# Altium PCB Nuio_LeftKeyboard_Rev_E.PcbDoc (part 1 of 3) (continued)
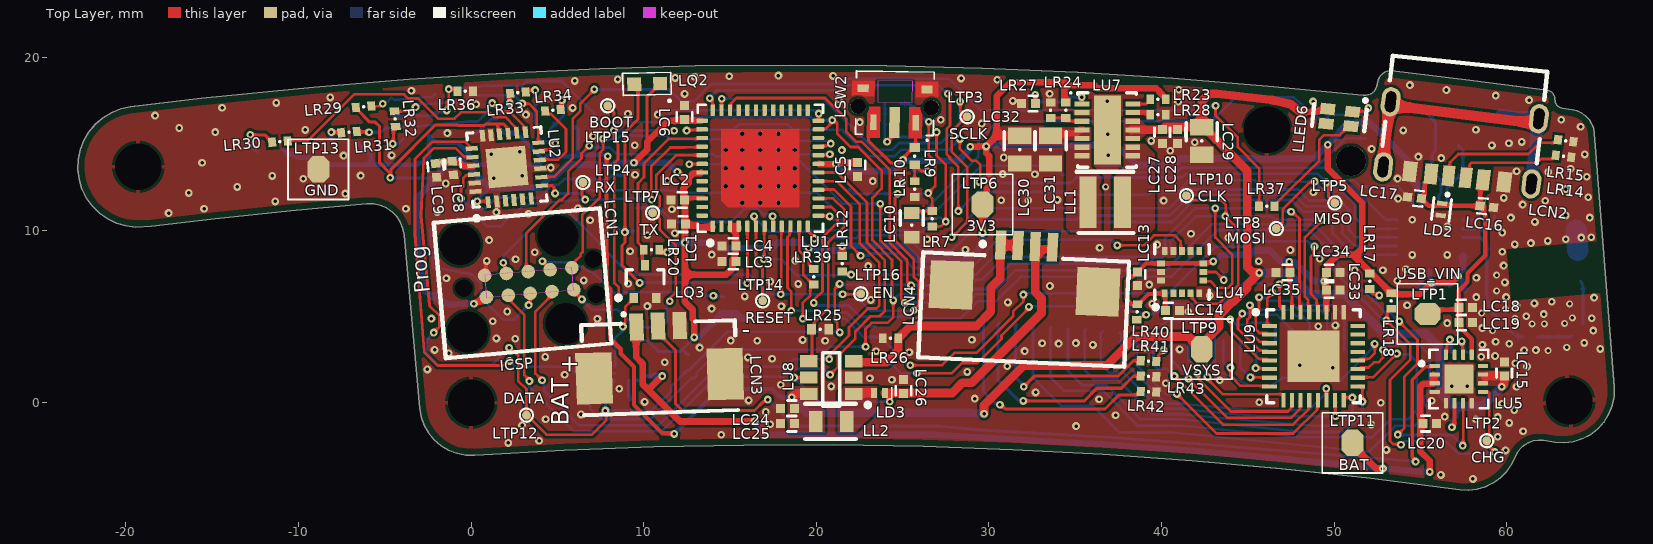
[diagram p0: Top Layer view]
## Footprints (in the part's own frame and the unit in brackets; to place one, negate y for a bottom-side part, rotate by r counter-clockwise, add the part's x,y. Pads: shape width x height; smd on the part's side, far side on the other; paste and mask are expansions set on the pad)
ACAG0201-2450-T [mm]
  rect 0.85x1.25 smd: 1(-0.75,0) 2(0.75,0)
  silkscreen extent -1.52,-0.89 1.15,0.89, body extent -0.99,-0.62 1.01,0.63, height 0.61
ALS-PT19-315C_L177_TR8 [mm]
  rect 0.8x0.8 smd: 1(-0.75,0) 2(0.75,0)
  silkscreen extent -1.38,-0.64 1.41,1.03, body extent -0.84,-0.4 0.86,0.4, height 0.61
BGA12C40P4X3_191X148X51 [mm] "BGA, 12-Leads, Body 1.91x1.48mmx0.51mm, Pitch 0.40mm"
  round 0.2 smd: A1(-0.6,0.4) A2(-0.2,0.4) A3(0.2,0.4) A4(0.6,0.4) B1(-0.6,0) B2(-0.2,0) B3(0.2,0) B4(0.6,0) C1(-0.6,-0.4) C2(-0.2,-0.4) C3(0.2,-0.4) C4(0.6,-0.4)
  silkscreen extent -1.11,0.8 -1.01,0.89, body extent -0.95,-0.74 0.96,0.74, height 0.51
BQ24232HARGTR [mm]
  rrect42% 0.6x0.24 smd: 1(-1.4,0.75) 2(-1.4,0.25) 3(-1.4,-0.25) 4(-1.4,-0.75) 9(1.4,-0.75) 10(1.4,-0.25) 11(1.4,0.25) 12(1.4,0.75)
  rrect42% 0.24x0.6 smd: 5(-0.75,-1.4) 6(-0.25,-1.4) 7(0.25,-1.4) 8(0.75,-1.4) 13(0.75,1.4) 14(0.25,1.4) 15(-0.25,1.4) 16(-0.75,1.4)
  rrect6% 1.68x1.68 smd paste-0.837: 17(0,0)
  silkscreen extent -2.26,-1.7 1.7,1.7, body extent -1.63,-1.63 1.63,1.63, height 1
CAPC0402(1005)_L [mm] "Chip Capacitor, Body 1.0x0.5mm, Height 0.7mm, IPC High Density"
  rect 0.52x0.52 smd mask+0.051: 1(-0.4,0) 2(0.4,0)
  silkscreen extent -0.5,-0.45 0,0.45, body extent -0.55,-0.3 0.55,0.3, height 0.7
CAPC0603(1608)_L [mm] "Chip Capacitor, Body 1.6x0.8mm, Height 1.0mm, IPC High Density"
  rect 0.7x0.9 smd: 1(-0.7,0) 2(0.7,0)
  silkscreen extent -0.82,-0.68 0.05,0.68, body extent -0.8,-0.44 0.8,0.43, height 0.86
CAPC0805(2012)_L [mm] "Chip Capacitor, Body 2.0x1.2mm, Height 1.55mm, IPC High Density"
  rect 0.95x1.35 smd: 1(-0.8,0) 2(0.8,0)
  silkscreen extent -1.05,-0.9 0.05,0.9, body extent -1.1,-0.72 1.1,0.72, height 1.55
DIOD-SOT323-3_V [mm] "SOT323, 3-Leads, Body 2.2x1.35mm, Pitch 0.65mm"
  rect 0.6x0.47 smd: 1(-0.95,0.65) 2(-0.95,-0.65) 3(0.95,0)
  silkscreen extent -1.07,-1.1 0.67,1.67, body extent -1.1,-1.1 1.1,1.1, height 1.07
ECS-160-12-33-AGN-TR3 [mm] "CRYSTAL 16.0000MHZ 12PF SMD"
  rect 1.3x1.1 smd: 1(-1.15,-0.9) 2(1.15,-0.9) 3(1.15,0.9) 4(-1.15,0.9)
  silkscreen extent -2.65,-1.66 2.03,1.77, body extent -1.79,-1.22 1.77,1.2, height 0.8
ESP32-PICO-D4 [mm]
  rrect50% 0.83x0.25 on Top Paste paste-100 mask+0.05: 0(-3.44,-2.75) 0(-3.44,-2.25) 0(-3.44,-1.75) 0(-3.44,-1.25) 0(-3.44,-0.75) 0(-3.44,-0.25) 0(-3.44,0.25) 0(-3.44,0.75) 0(-3.44,1.25) 0(-3.44,1.75) 0(-3.44,2.25) 0(-3.44,2.75) 0(3.44,-2.75) 0(3.44,-2.25) 0(3.44,-1.75) 0(3.44,-1.25) 0(3.44,-0.75) 0(3.44,-0.25) 0(3.44,0.25) 0(3.44,0.75) 0(3.44,1.25) 0(3.44,1.75) 0(3.44,2.25) 0(3.44,2.75)
  rrect50% 0.25x0.83 on Top Paste paste-100 mask+0.05: 0(-2.75,3.44) 0(-2.75,-3.44) 0(-2.25,3.44) 0(-2.25,-3.44) 0(-1.75,3.44) 0(-1.75,-3.44) 0(-1.25,3.44) 0(-1.25,-3.44) 0(-0.75,3.44) 0(-0.75,-3.44) 0(-0.25,3.44) 0(-0.25,-3.44) 0(0.25,3.44) 0(0.25,-3.44) 0(0.75,3.44) 0(0.75,-3.44) 0(1.25,3.44) 0(1.25,-3.44) 0(1.75,3.44) 0(1.75,-3.44) 0(2.25,3.44) 0(2.25,-3.44) 0(2.75,3.44) 0(2.75,-3.44)
  rrect50% 0.68x0.25 smd paste-100 mask+0.05: 1(-3.365,2.75) 2(-3.365,2.25) 3(-3.365,1.75) 4(-3.365,1.25) 5(-3.365,0.75) 6(-3.365,0.25) 7(-3.365,-0.25) 8(-3.365,-0.75) 9(-3.365,-1.25) 10(-3.365,-1.75) 11(-3.365,-2.25) 12(-3.365,-2.75) 25(3.365,-2.75) 26(3.365,-2.25) 27(3.365,-1.75) 28(3.365,-1.25) 29(3.365,-0.75) 30(3.365,-0.25) 31(3.365,0.25) 32(3.365,0.75) 33(3.365,1.25) 34(3.365,1.75) 35(3.365,2.25) 36(3.365,2.75)
  rrect50% 0.25x0.68 smd paste-100 mask+0.05: 13(-2.75,-3.365) 14(-2.25,-3.365) 15(-1.75,-3.365) 16(-1.25,-3.365) 17(-0.75,-3.365) 18(-0.25,-3.365) 19(0.25,-3.365) 20(0.75,-3.365) 21(1.25,-3.365) 22(1.75,-3.365) 23(2.25,-3.365) 24(2.75,-3.365) 37(2.75,3.365) 38(2.25,3.365) 39(1.75,3.365) 40(1.25,3.365) 41(0.75,3.365) 42(0.25,3.365) 43(-0.25,3.365) 44(-0.75,3.365) 45(-1.25,3.365) 46(-1.75,3.365) 47(-2.25,3.365) 48(-2.75,3.365)
  round 0.25 hole 0.25 mask+0: 49(-2,-1.05) 49(-2,0) 49(-2,1.05) 49(-1.05,2) 49(-1.05,-1.05) 49(-1.05,0) 49(-1.05,1.05) 49(-1.05,-2) 49(0,2) 49(0,1.05) 49(0,0) 49(0,-1.05) 49(0,-2) 49(1.05,2) 49(1.05,-1.05) 49(1.05,0) 49(1.05,1.05) 49(1.05,-2) 49(2,-1.05) 49(2,0) 49(2,1.05)
  round 0.025 smd paste-2.743 mask+0.05: 49(0,0)
  Top Layer region: 2.25,-2.25 -2.25,-2.25 -2.25,1.89 -1.89,2.25 2.25,2.25
  silkscreen extent -4.46,-3.63 3.68,3.63, body extent -3.56,-3.56 3.56,3.56, height 1.04
F52R-1A7H1-11022 [mm]
  rect 0.3x1.2 smd: 1(0,0) 2(1,0) 3(2,0) 4(3,0) 5(4,0) 6(5,0) 7(6,0) 8(7,0) 9(8,0) 10(9,0) 11(10,0) 12(11,0) 13(12,0) 14(13,0) 15(14,0) 16(15,0) 17(16,0) 18(17,0) 19(18,0) 20(19,0) 21(20,0) 22(21,0)
  rect 2.1x1.95 smd: MP1(-2.75,-1.5) MP2(23.75,-1.506)
  silkscreen extent -4.53,-5.24 25.44,1.15, body extent -4.4,-5.22 25.4,0.28, height 2.06
FFC3B07-04-T [mm]
  rect 2.5x2.8 smd: 0(-4.25,-2.45) 0(4.25,-2.45)
  rect 0.6x1.7 smd: 1(-1.5,0) 2(-0.5,0) 3(0.5,0) 4(1.5,0)
  silkscreen extent -5.97,-6.73 5.97,0.13, body extent -5.5,-6.5 5.5,0.25, height 2.52
"FIXED IND 2.2UH 2.83A 74MOHM SMD" [mm]
  rect 1x3 smd: 1(-1,0) 2(1,0)
  silkscreen extent -1.64,-1.78 1.67,1.78, body extent -1.49,-1.51 1.52,1.51, height 1.21
"FIXED IND 10UH 300MA 680MOHM SMD" [mm] "10 µH Shielded Multilayer Inductor 300 mA 680mOhm 0805 (2012 Metric)"
  rect 0.8x1.2 smd: 1(-0.9,0) 2(0.9,0)
  silkscreen extent -1.51,-1.02 1.41,1.02, body extent -1.1,-0.72 1.1,0.72, height 1.1
FP-DPY0002A-MFG [mm]
  rrect50% 0.3x0.6 smd paste+0 mask+0.07: 1(-0.35,0) 2(0.35,0)
  silkscreen extent -0.98,-0.51 0.64,0.51, body extent -0.9,-0.45 0.9,0.45, height 0.25
FP-LQG15HH_02-IPC_C [mm]
  rect 0.5x0.4 smd paste+0: 1(-0.4,0) 2(0.4,0)
  silkscreen extent -1.38,-0.68 0.61,0.68, body extent -0.5,-0.25 0.5,0.25, height 0.55
Inductor0402(1005)_L [mm] "Chip Resistor, Body 1.0x0.5mm, IPC High Density"
  rect 0.45x0.55 smd: 1(-0.45,0) 2(0.45,0)
  silkscreen extent -0.05,-0.05 0.05,0.05, body extent -0.52,-0.27 0.53,0.28, height 0.55
LGA16 [mm] "LGA-16 3x3x1.0mm Land Grid Array"
  rect 0.45x0.34 smd: 1(-1.225,1) 2(-1.225,0.5) 3(-1.225,0) 4(-1.225,-0.5) 5(-1.225,-1) 9(1.225,-1) 10(1.225,-0.5) 11(1.225,0) 12(1.225,0.5) 13(1.225,1)
  rect 0.34x0.45 smd: 6(-0.5,-1.225) 7(0,-1.225) 8(0.5,-1.225) 14(0.5,1.225) 15(0,1.225) 16(-0.5,1.225)
  silkscreen extent -2.16,-1.57 1.58,1.66, body extent -1.5,-1.5 1.5,1.5, height 1.01
LTST-C19HE1WT [mm] "low-cost low-height RGB LED"
  rect 0.65x0.85 smd: 1(-0.425,0.725) 2(0.425,0.725) 3(0.425,-0.725) 4(-0.425,-0.725)
  silkscreen extent -1.24,-1.52 0.64,1.52, body extent -0.8,-0.8 0.8,0.8, height 0.5
"Molex 3x1 Picoblade R_A SMD" [mm]
  rect 2.1x3 smd: 0(-3.8,1.45) 0(3.8,1.45)
  rect 0.8x1.6 smd: 1(1.25,-1.45) 2(0,-1.45) 3(-1.25,-1.45)
  silkscreen extent -4.45,-2.26 4.45,3.56, body extent -4.45,-1.69 4.45,3.52, height 3.41
MTK-TESTPOINT-20 [mil]
  round 20 smd paste-20: 1(0,0)
  silkscreen extent -15,-15 15,15
ONSC-SC70-5-419A-02_K_L [mm] "SOT23, 5-Leads, Body 2.2x1.35mm, Pitch 0.65mm, IPC High Density"
  rect 0.5x0.4 smd: 1(0,0) 2(0,-0.65) 3(0,-1.3) 4(1.9,-1.3) 5(1.9,0)
  silkscreen extent -0.13,-1.75 0.98,0.85, body extent 0.28,-1.72 1.63,0.48, height 1.1
PI4IOE5V9535ZDEX [mm] "I/O Expander 16 I²C 400 kHz 24-TQFN (4x4)"
  rect 0.7x0.28 smd: 1(-1.93,1.25) 2(-1.93,0.75) 3(-1.93,0.25) 4(-1.93,-0.25) 5(-1.93,-0.75) 6(-1.93,-1.25) 13(1.93,-1.25) 14(1.93,-0.75) 15(1.93,-0.25) 16(1.93,0.25) 17(1.93,0.75) 18(1.93,1.25)
  rect 0.28x0.7 smd: 7(-1.25,-1.93) 8(-0.75,-1.93) 9(-0.25,-1.93) 10(0.25,-1.93) 11(0.75,-1.93) 12(1.25,-1.93) 19(1.25,1.93) 20(0.75,1.93) 21(0.25,1.93) 22(-0.25,1.93) 23(-0.75,1.93) 24(-1.25,1.93)
  rect 2.3x2.3 smd: EPAD(0,0)
  silkscreen extent -2.92,-2.15 2.15,2.15, body extent -2,-2 2,2, height 0.85
PMEG4010AESBYL-Footprint-1 [mm]
  rect 0.35x0.6 smd: 1(-0.325,0) 2(0.325,0)
  silkscreen extent -0.71,-0.33 -0.71,0.33, body extent -0.53,-0.33 0.53,0.33, height 0.3
Pogo-Testpoint [mil] "Test Point - Top Pad Only"
  oct 50x60 smd paste-60: 1(0,0)
  silkscreen extent -69,-69 69,69
PSON50P300X80_HS-15N [mm] "PSON, 14-Leads, Body 3.95x3.00mm, Pitch 0.50mm, Thermal Pad 2.85x1.58mm, IPC Medium Density"
  rect 0.85x0.3 smd mask+0.07: 1(-1.475,1.5) 2(-1.475,1) 3(-1.475,0.5) 4(-1.475,0) 5(-1.475,-0.5) 6(-1.475,-1) 7(-1.475,-1.5) 8(1.475,-1.5) 9(1.475,-1) 10(1.475,-0.5) 11(1.475,0) 12(1.475,0.5) 13(1.475,1) 14(1.475,1.5)
  rect 1.58x4 smd mask+0.07: 15(0,0)
  silkscreen extent -2.17,-2.15 1.68,2.2, body extent -1.57,-2 1.53,2, height 0.8
QFN50P400X400X95_HS-21N [mm] "QFN, 20-Leads, Body 4.00x4.00mm, Pitch 0.50mm, Thermal Pad 2.60x2.60mm, IPC Medium Density"
  rect 0.85x0.25 smd: 1(-1.925,1) 2(-1.925,0.5) 3(-1.925,0) 4(-1.925,-0.5) 5(-1.925,-1) 11(1.925,-1) 12(1.925,-0.5) 13(1.925,0) 14(1.925,0.5) 15(1.925,1)
  rect 0.25x0.85 smd: 6(-1,-1.925) 7(-0.5,-1.925) 8(0,-1.925) 9(0.5,-1.925) 10(1,-1.925) 16(1,1.925) 17(0.5,1.925) 18(0,1.925) 19(-0.5,1.925) 20(-1,1.925)
  rect 2.6x2.6 smd: 21(0,0)
  silkscreen extent -2.92,-2.15 2.15,2.15, body extent -2,-2 2,2, height 0.95
QFN50P500X500X60_HS-33N [mm] "QFN, 32-Leads, Body 5.00x5.00mm, Pitch 0.50mm, Thermal Pad 3.00x3.00mm, IPC Medium Density"
  rect 0.85x0.24 smd mask+0.05: 1(-2.55,1.75) 2(-2.55,1.25) 3(-2.55,0.75) 4(-2.55,0.25) 5(-2.55,-0.25) 6(-2.55,-0.75) 7(-2.55,-1.25) 8(-2.55,-1.75) 17(2.55,-1.75) 18(2.55,-1.25) 19(2.55,-0.75) 20(2.55,-0.25) 21(2.55,0.25) 22(2.55,0.75) 23(2.55,1.25) 24(2.55,1.75)
  rect 0.24x0.85 smd mask+0.05: 9(-1.75,-2.55) 10(-1.25,-2.55) 11(-0.75,-2.55) 12(-0.25,-2.55) 13(0.25,-2.55) 14(0.75,-2.55) 15(1.25,-2.55) 16(1.75,-2.55) 25(1.75,2.55) 26(1.25,2.55) 27(0.75,2.55) 28(0.25,2.55) 29(-0.25,2.55) 30(-0.75,2.55) 31(-1.25,2.55) 32(-1.75,2.55)
  rect 3x3 smd paste-2539.97: 33(0,0)
  silkscreen extent -3.47,-2.7 2.7,2.7, body extent -2.55,-2.55 2.55,2.55, height 0.6
RESC0402(1005)_L [mm] "Chip Resistor, Body 1.0x0.5mm, IPC High Density"
  rect 0.45x0.55 smd mask+0.051: 1(-0.45,0) 2(0.45,0)
  silkscreen extent -0.05,-0.05 0.05,0.05, body extent -0.52,-0.27 0.53,0.28, height 0.4
RESC0402_YAGEO [mm] "Chip Resistor, Body 1.0x0.5mm, IPC High Density"
  rect 0.5x0.6 smd mask+0.05: 1(-0.5,0) 2(0.5,0)
  silkscreen extent -0.05,-0.05 0.05,0.05, body extent -0.52,-0.27 0.53,0.28, height 0.4
RT4533GJ6 [mm] "IC LED DRVR RGLTR PWM TSOT23-6"
  rect 1x0.7 smd: 1(-1.3,0.95) 2(-1.3,0) 3(-1.3,-0.95) 4(1.3,-0.95) 5(1.3,0) 6(1.3,0.95)
  silkscreen extent -2.25,-1.43 0.5,1.71, body extent -1.55,-1.56 1.45,1.54, height 1
SKSVCAE010 [mm]
  rect 0.55x0.57 smd: 1(-1.275,0.58) 2(1.275,0.58) 3(-1.275,-0.58) 4(1.275,-0.58)
  silkscreen extent -2.11,-0.69 0.63,1.38, body extent -1.5,-0.95 1.5,0.95, height 0.5
SM-LED-0603 [mm] "0603 LED"
  rect 0.8x0.8 smd: 1(0.75,0) 2(-0.75,0)
  silkscreen extent -1.67,-0.61 1.36,0.62, body extent -0.8,-0.36 0.85,0.37, height 0.67
TC2050-IDC [mm] "Tag-Connect 10-Pin (With Legs)"
  round 2.3 hole 2.375 unplated: 0(0,2.54) 0(0,-2.54) 0(5.715,-2.54) 0(5.715,2.54)
  round 0.9 hole 1 unplated: 0(0,0) 0(7.62,-1.015) 0(7.62,1.015)
  round 0.79 smd paste-0.39: 1(1.27,-0.635) 2(2.54,-0.635) 3(3.81,-0.635) 4(5.08,-0.635) 5(6.35,-0.635) 6(6.35,0.635) 7(5.08,0.635) 8(3.81,0.635) 9(2.54,0.635) 10(1.27,0.635)
  Keep-Out Layer region: 1.269,-0.635 6.349,-0.635 6.349,0.635 1.269,0.635
  silkscreen extent -1.4,-3.94 8.26,3.94
TL3340AF160QG [mm] "SWITCH TACTILE SPST-NO 0.05A 12V"
  round 0.9 hole 0.9: 0(-2.125,-0.9) 0(2.125,-0.9)
  rect 0.375x0.9 smd: 1(-1.225,0) 3(1.225,0)
  rect 0.6x1.8 smd: 2(0,0)
  rect 0.65x0.45 smd: MP1(-1.85,-1.95) MP2(1.85,-1.95)
  Top Layer region: 2.5,-2.4 1.2,-2.4 1.2,-1.5 1.819,-1.5 2.131,-1.578 2.443,-1.499 2.443,-1.499 2.499,-1.499 2.5,-1.5
  Top Layer region: -2.5,-2.4 -1.2,-2.4 -1.2,-1.5 -1.819,-1.5 -2.131,-1.578 -2.443,-1.499 -2.443,-1.499 -2.499,-1.499 -2.5,-1.5
  Top Layer region: 1.6,-0.515 1.6,0.9 0.85,0.9 0.85,-0.9 1.473,-0.9 1.505,-0.697 1.599,-0.514
  Top Layer region: -1.6,-0.515 -1.6,0.9 -0.85,0.9 -0.85,-0.9 -1.473,-0.9 -1.505,-0.697 -1.599,-0.514
  Top Layer keep-out region: -1,-2.4 1,-2.4 1,-1.2 -1,-1.2
  silkscreen extent -2.25,-2.95 2.25,1.05, body extent -2.25,-2.95 2.25,0.72, height 3.3
USB4125-GF-A [mm] "CONN RCPT TYPE C 6P SMD RA"
  oval 1.1x1.7 on Top Paste: 0(-4.32,-0.08) 0(-4.32,-3.88) 0(4.32,-3.88) 0(4.32,-0.08)
  rect 0.7x1.2 smd: A5(-0.5,0) B5(0.5,0)
  rect 0.76x1.2 smd: A9(1.52,0) B9(-1.52,0)
  rect 0.8x1.2 smd: A12(2.75,0) B12(-2.75,0)
  oval 1.1x1.7 hole 0.6 slot 1.2 at 90 deg: SHELL1(4.32,-0.08) SHELL2(-4.32,-0.08) SHELL3(-4.32,-3.88) SHELL4(4.32,-3.88)
  silkscreen extent -4.5,-6.64 4.5,-1.3, body extent -4.47,-6.5 4.47,0.4, height 3.26

## Part data
LC1 LC2 LC3 LC9 LC15 LC16 LC17 LC18 LC22 LC28 LC34 LC35 LC37 LC38: library part CMP-001-1453-04, "±20% 10V Ceramic Capacitor X5R 0402 (1005 Metric)", Capacitance="1 µF", Manufacturer=Yageo, Manufacturer Part Number=CC0402MRX5R6BB105, Package (Imperial)=0402, Supplier Part Number=311-1732-1-ND, Temperature Coefficient=X5R, Tolerance=±20%, Voltage (Rated)=10V, Height=0.55mm, Supplier=Digi-Key
LC4 LC5 LC6 LC7 LC8 LC11 LC13 LC14 LC19 LC21 LC27 LC32 LC33 LC36: library part CMP-001-0605-23, "±10% 16V Ceramic Capacitor X5R 0402 (1005 Metric)", Capacitance=100nF, Dielectric Material=Ceramic, Manufacturer="Taiyo Yuden", Manufacturer Part Number=EMK105BJ104KV-F, Package (Imperial)=0402, Package (Metric)=1005, Supplier Part Number=587-1226-1-ND, Temperature (Max)=85°C, Temperature (Min)=-55°C, Temperature Coefficient=X5R, Tolerance=10%, Voltage (Rated)=16V, Height=550µm, Length=1mm, Mounting Type=SMD, Supplier=Digi-Key, Width=500µm
LC10: library part CMP-001-0737-03, "CAP CER 22UF 10V 20% 0603", Case Code (Imperial)=0603, Case Code (Metric)=1608, Dielectric=X5R, Max Operating Temperature=85°C, Min Operating Temperature=-55°C, Package Quantity=4000, Tolerance=20%, Voltage Rating=10V, Capacitance=22uF, Case/Package=0603, Depth=0.8mm, Height=0.8mm, Lead Free="Lead Free", Length=1.6mm, Material=Ceramic, Mount="Surface Mount", Packaging="Tape and Reel", REACH SVHC="No SVHC", Termination=SMD/SMT, Thickness=0.039inch, Voltage Rating (DC)=10V, Weight=0.000222oz, Width=0.8mm
LC12: library part CMP-007-0056-15, "0.47 µF ±10% 10V Ceramic Capacitor X7S 0402 (1005 Metric)", Capacitance=470nF, Dielectric Material=Ceramic, Package (Imperial)=0402, Package (Metric)=1005, Temperature (Max)=125°C, Temperature (Min)=-55°C, Temperature Coefficient=X7S, Tolerance=10%, Voltage (Rated)=10V, Height=600µm, Length=1mm, Mounting Type=SMD, Width=500µm
LC20: library part CMP-007-0148-15, "CAP CER 4.7UF 6.3V 10% X5R 0402", Capacitance=4.7µF, Dielectric Material=Ceramic, Package (Imperial)=0402, Package (Metric)=1005, Temperature Coefficient=X5R, Tolerance=20%, Voltage (Rated)=6.3V, Mounting Type=SMD
LC23 LC24 LC25: library part CMP-001-1451-04, "±20% 10V Ceramic Capacitor X5R 0402 (1005 Metric)", Capacitance=2.2uF, Dielectric=X5R, Dielectric Material=Ceramic, Manufacturer=KEMET, Manufacturer Part Number=C0402C225M8PACTU, Max Operating Temperature=85°C, Min Operating Temperature=-55°C, Package (Imperial)=0402, Supplier Part Number=399-7375-1-ND, Tolerance=20%, Voltage (Rated)=10V, Contact Plating=Tin,Matte, Depth=0.5mm, Height=0.5mm, Lead Free="Lead Free", Length=1mm, Mount="Surface Mount", Series=C, Supplier=Digi-Key, Temperature Coefficient=X5R, Termination=SMD/SMT, Thickness=0.022inch, Voltage Rating (DC)=10V, Width=0.5mm
LC26: library part CMP-007-0115-14, "CAP CER 2.2UF 35V 10% X5R 0402", Capacitance=2.2µF, Dielectric Material=Ceramic, Package (Imperial)=0402, Package (Metric)=1005, Temperature Coefficient=X5R, Tolerance=10%, Voltage (Rated)=35V, Mounting Type=SMD
LC29 LC30 LC31: library part CMP-001-0889-04, "10µF ±10% 10V Ceramic Capacitor X7R 0805 (2012 Metric)", Capacitance=10µF, Case Code (Imperial)=0805, Case Code (Metric)=2012, Dielectric Material=Ceramic, Manufacturer Part Number=GRM21BR71A106KA73K, Max Operating Temperature=125°C, Min Operating Temperature=-55°C, Ratings=AEC-Q200, Temperature Coefficient=X7R, Tolerance=10%, Voltage (Rated)=10V, Case/Package=0805, Height=1.4mm, Length=2mm, Mount="Surface Mount", Mounting Type=SMD, Package (Imperial)=0805, Package (Metric)=2012, Packaging="Tape and Reel", Voltage Rating=10V, Width=1.25mm
LC39: library part CMP-007-0031-14, "CAP CER 0.033UF 50V 10% X7R 0402", Capacitance=33nF, Dielectric Material=Ceramic, Package (Imperial)=0402, Package (Metric)=1005, Temperature Coefficient=X7R, Tolerance=10%, Voltage (Rated)=50V, Mounting Type=SMD
LC40: library part CMP-007-0063-14, "CAP CER 1.5PF 50V NP0 0402", Dielectric Material=Ceramic, Package (Imperial)=0402, Package (Metric)=1005, Temperature Coefficient="C0G, NP0", Tolerance=5%, Voltage (Rated)=50V, Capacitance=1.5pF, Mounting Type=SMD
LC41: library part CMP-007-0102-14, "CAP CER 1PF 50V NP0 0402", Dielectric Material=Ceramic, Package (Imperial)=0402, Package (Metric)=1005, Temperature Coefficient="C0G, NP0", Tolerance=5%, Voltage (Rated)=50V, Capacitance=1pF, Mounting Type=SMD
LC42: library part CMP-001-2177-04, "0.5 pF ±0.1pF 50V Ceramic Capacitor C0G, NP0 0402 (1005 Metric)", Capacitance="0.5 pF", Manufacturer="Johanson Technology Inc.", Manufacturer Part Number=QSCF500Q0R5B1GV001T, Operating Temperature="-55°C ~ 125°C", Temperature Coefficient="C0G, NP0", Tolerance=±0.1pF, Voltage - Rated=50V, Applications="RF, Microwave, High Frequency", Features="High Q, Low Loss, Ultra Low ESR", RoHS Compliant=Yes, Size / Dimension="0.040\" L x 0.020\" W (1.02mm x 0.51mm)", Thickness (Max)="0.024\" (0.61mm)"
LC43: library part CMP-007-0123-17, "CAP CER 2200PF 50V 10% X7R 0402", Capacitance=2.2nF, Dielectric Material=Ceramic, Package (Imperial)=0402, Package (Metric)=1005, Temperature Coefficient=X7R, Tolerance=10%, Voltage (Rated)=50V, Mounting Type=SMD
LC44: library part CMP-001-2014-06, "CAP CER 4.7pF 50V 5% NP0 0402", Dielectric=Ceramic, Package (Imperial)=0402, Package (Metric)=1005, Temperature Coefficient=NP0, Tolerance=5%, Voltage (Rated)=50V, Capacitance=4.7pF, Dielectric Material=Ceramic, Length=1mm, Mounting Type=SMD, Width=500µm
LC45 LC46: library part CMP-007-0098-14, "CAP CER 15PF 50V C0G/NP0 0402", Dielectric Material=Ceramic, Package (Imperial)=0402, Package (Metric)=1005, Temperature Coefficient="C0G, NP0", Tolerance=5%, Voltage (Rated)=50V, Capacitance=15pF, Mounting Type=SMD
LCN1: library part CMP-001-1753-01, "Adapter Cbl Plug Of Nails 10PIN", Package Quantity=1, RoHS Compliant=Yes, Series=Plug-Of-Nails™
LCN2: library part CMP-001-2121-03, "USB-C (USB TYPE-C) Receptacle Connector 24 (6+18 Dummy) Position Surface Mount, Right Angle; Through Hole", Current Rating=3A, Manufacturer=GCT, Voltage=20V, Connector Type=USB-C, Contact Finish=Gold, Gender=Receptacle, Material Flammability="UL94 V-0", Mating Cycles=20000, Number of Contacts="24 (6 + 18 Dummy)", Series=USB4125, Shell/Shielding Material="Steel, Stainless", Shielding=Shielded
LCN3: library part CMP-00344-01, Manufacturer=Molex, Manufacturer Part Number=0532610371, Series="PicoBlade 53261"
LCN4: library part CMP-001-2018-02, "CONN, FPC, 4POS, 1ROW, 1MM, R/A SMT; Pitch Spacing: 1mm; No. of Contacts: 4Contacts; Gender: Receptacle; Product...", Current Rating=0.4A, Manufacturer=GCT, Voltage Rating=50V, Connector/Contact Type="Contacts, Bottom", Contact Finish=Tin, Locking Feature="Slide Lock", Mating Cycles=20, Mounting Type="SM R/A", Number of Positions=4, Pitch=1mm
LCN5: library part CMP-001-2003-02, "FLEX CONNECTOR, 1.00MM PITCH, HE", Current Rating=0.5A, Manufacturer="Amphenol ICC (FCI)", Voltage Rating=50V, Flat Flex Type="FFC, FPC", Manufacturer Part Number=F52R-1A7H1-11022, Mounting Type="SND, Right Angle", Number of Positions=22
LD1 LD3: library part CMP-001-0106-06, "DIODE SCHOTTKY 40V 1A SOD993", Current Avg Rectified=1A, DC Reverse Voltage Max=40V, Voltage Forward Max="505mV @ 1A", Diode Type=Schottky
LD2: library part CMP-009-0040-02, "TVS DIODE 5.5V 14V 2X1SON", Manufacturer="Texas Instruments", Max Operating Temperature=125°C, Max Power=30W, Min Operating Temperature=-40°C, Directionality=UNI-DIRECTIONAL!, Height=0.45mm, Interface=LVDS,USB,Ethernet,HDMI, Lead Free="Lead Free", Manufacturer Part Number=TPD1E05U06QDPYRQ1, Number of Channels=1, RoHS Compliant=Yes
LE1: library part CMP-001-2000-02, "RF ANT 2.4GHZ CHIP SOLDER SMD", Frequency=2.4GHz, Frequency Group=UHF, Manufacturer="Abracon LLC", Manufacturer Part Number=ACAG0201-2450-T, Mounting Type=SMD, Number of Bands=1, RF Family="Bluetooth, General ISM, WiFi", VSWR=2
LL1: library part CMP-001-1752-01, "2.2 µH Shielded Wirewound Inductor 2.83 A 74mOhm Max Nonstandard -", Current Rating (Amps)=2.83A, DC Resistance (DCR)="74mOhm Max", Inductance=2.2uH, Inductance Frequency - Test=1MHz, Manufacturer="TDK Corporation", Manufacturer Product Number=VLS3012CX-2R2M-1, Mounting Type="Surface Mount", RoHS Compliant=Yes, Size / Dimension="3mm x 3mm"
LL2: library part CMP-001-2113-01, "10 µH Shielded Multilayer Inductor 300 mA 680mOhm 0805 (2012 Metric)", Case/Package=0805, Current Rating=300mA, DC Resistance (DCR)=680mR, Manufacturer Part Number=MLZ2012M100HT000, Max Operating Temperature=125°C, Min Operating Temperature=-55°C, Saturation Current=200mA, Self Resonant Frequency=40MHz, Test Frequency=2MHz, Tolerance=20%, Core Material=Ferrite, Height=1.25mm, Height - Seated (Max)=0.057inch, Lead Free="Lead Free", Length=0.079inch, Max DC Current=300mA, RoHS Compliant=Yes, Series=MLZ, Shielding=Shielded, Width=0.049inch
LL3: library part CMP-001-1524-02, "Inductor RF Chip 0.0039uH 0.1nH 100MHz 8Q-Factor Air 0.75A 0.14Ohm DCR 0402 T/R", Current="750 mA", DC Resistance (DCR)="140mOhm Max", Inductance="3.9 nH", Inductance Frequency="100 MHz", Manufacturer=LQG15HS3N9B02D, Manufacturer Part Number="Murata Electronics", Package="0402 (1005 Metric)", Tolerance=±0.1nH, Height=0.55mm, RoHS Compliant=Yes, Size / Dimension="0.039\" L x 0.020\" W (1.00mm x 0.50mm)"
LL4: library part CMP-001-2001-02, "8.2 nH Unshielded Multilayer Inductor 550 mA 240mOhm Max 0402 (1005 Metric)", Case/Package=0402, DC Resistance (DCR)=240mR, Inductance=8.2nH, Manufacturer="Murata Electronics", Manufacturer Part Number=LQG15HS8N2J02D, Max Operating Temperature=125°C, Min Operating Temperature=-55°C, Ratings=AEC-Q200, Self Resonant Frequency=3.7GHz, Test Frequency=100MHz, Tolerance=5%, Core Material=Air, Mount="Surface Mount", RoHS Compliant=Yes, Series=LQG15, Shielding=Unshielded
LL5: library part CMP-001-2002-02, "2.7 nH Unshielded Multilayer Inductor 800 mA 150mOhm Max 0402 (1005 Metric)", Case/Package=0402, Current Rating=300mA, DC Resistance (DCR)=150mR, Inductance=2.7nH, Manufacturer="Murata Electronics", Manufacturer Part Number=LQG15HS2N7S02D, Max Operating Temperature=125°C, Min Operating Temperature=-55°C, Self Resonant Frequency=6GHz, Test Frequency=100MHz, Core Material=Air, DC Current=300mA, Depth=0.55mm, Height=0.5mm, Height - Seated (Max)=0.022inch, Lead Free="Lead Free", Length=1mm, Max DC Current=300mA, Military Standard=Not, Mount="Surface Mount", Q Factor=8, Radiation Hardening=No, Rated Current-Max=300mA, RoHS Compliant=Yes, Series=LQG15HS, Shielding=Unshielded, Termination=SMD/SMT, Width=0.02inch
LLED1 LLED2 LLED3 LLED4 LLED5: library part CMP-001-0086-08, "LED GREEN CLEAR THIN 0603 SMD", Color=Green, Current - Test=20mA, Manufacturer="Lite-On Inc", Millicandela Rating=35mcd, Package / Case="0603 (1608 Metric)", Voltage - Forward (Vf) (Typ)=2V, Height=0.55mm, Lens Style/Size="Rectangle with Flat Top, 1.1mm x 0.8mm", Lens Type=Clear, Manufacturer Part Number=LTST-C191KGKT, Mounting Type="Surface Mount", Packaging="Cut Tape (CT)", Pin Count=2, Pricing 1="1=0.3, 10=0.238, 100=0.1296, 250=0.0864, 500=0.07344, 1000=0.05616, 2500=0.05076 (USD)", RoHS="RoHS Compliant", Size / Dimension="1.60mm L x 0.80mm W", Stock 1=84829, Viewing Angle=130°, Wavelength - Dominant=571nm, Wavelength - Peak=574nm
LLED6: library part CMP-001-0089-03, "LED RGB 605/525/470NM DIFF SMD", Color="Red, Green, Blue (RGB)", Current - Test="20mA Red, 20mA Green, 20mA Blue", Lens Color=White, Manufacturer="Lite-On Inc.", Millicandela Rating="112.5mcd Red, 281mcd Green, 104mcd Blue", Package / Case="0606 (1616 Metric)", Voltage - Forward (Vf) (Typ)="2.1V Red, 3.35V Green, 3.35V Blue", Component Name=LTST-C19HE1WT, ComponentLink1Description=http://optoelectronics.liteon.com/upload/download/DS22-2008-0044/S_110_LTST-C19HE1WT.pdf, ComponentLink1URL=http://optoelectronics.liteon.com/upload/download/DS22-2008-0044/S_110_LTST-C19HE1WT.pdf, Features=-, Height (Max)=0.35mm, Lens Style/Size="Rectangle with Flat Top, 1.15mm x 1.60mm", Lens Transparency=Diffused, Manufacturer Part Number=LTST-C19HE1WT, Mounting Type="Surface Mount", Packaging="Cut Tape (CT)", Part Status=Active, Pin Count=4, Pricing 1="1=0.59, 10=0.424, 25=0.3464, 100=0.277, 250=0.23372, 500=0.19912, 1000=0.15583 (USD)", RoHS="RoHS Compliant", Size / Dimension="1.60mm L x 1.60mm W", Stock 1=369310, Viewing Angle=130°, Wavelength - Dominant="624nm Red, 525nm Green, 470nm Blue", Wavelength - Peak="632nm Red, 520nm Green, 468nm Blue"
LQ1 LQ3 LQ4 LQ5: library part CMP-00300-01, "DIODES INC. - BSS138W-7-F. - BSS FAMILY SOT323 T&R 3K ROHS COMPLIANT: YES", Case/Package=SOT-323, Continuous Drain Current (ID)=200mA, Drain to Source Breakdown Voltage=75V, Drain to Source Resistance=1.4R, Drain to Source Voltage (Vdss)=50V, Drain-source On Resistance-Max=3.5R, Gate to Source Voltage (Vgs)=20V, Input Capacitance=50pF, Manufacturer="Diodes Incorporated", Max Operating Temperature=150°C, Max Power Dissipation=200mW, Min Operating Temperature=-55°C, Package Quantity=3000, Threshold Voltage=1.2V, Contact Plating=Tin,Matte, Current Rating=200mA, Dual Supply Voltage=50V, Element Configuration=Single, Height=1mm, Lead Free="Lead Free", Length=2.2mm, Manufacturer Part Number=BSS138W-7-F, Mount="Surface Mount", Nominal Vgs=1.2V, Number of Channels=1, Number of Elements=1, Number of Pins=3, On-State Resistance=3.5R, Packaging="Tape and Reel", Polarity=N-CHANNEL, Power=200mW, Rds On Max=3.5R, REACH SVHC="No SVHC", RoHS Compliant=Yes, Series=-, Termination=SMD/SMT, Turn-Off Delay Time=20ns, Turn-On Delay Time=20ns, Voltage=50V, Voltage Rating (DC)=50V, Weight=0.000212oz, Width=1.35mm
LQ2: library part CMP-00305-02, "SENSOR PHOTO 630NM 2SMD", Case/Package=SMD/SMT, Collector Emitter Breakdown Voltage=5.5V, Dark Current=100nA, Manufacturer="Everlight Electronics Co Ltd", Max Operating Temperature=85°C, Min Operating Temperature=-40°C, Package Quantity=1, Fall Time=0.22ms, Lens Style=Flat, Manufacturer Product Number=ALS-PT19-315C/L177/TR8, Max Breakdown Voltage=5.5V, Mount="Surface Mount", Number of Elements=1, Number of Pins=2, Packaging="Tape and Reel", Polarity=NPN, Radiation Hardening=No, Rise Time=0.11ms, RoHS Compliant=Yes, Wavelength=630nm
LR1 LR2 LR3: library part CMP-001-0724-07, "4.7 kOhms ±1% 0.063W, 1/16W Chip Resistor 0402 (1005 Metric) Moisture Resistant Thick Film", Case Code (Imperial)=0402, Manufacturer=YAGEO, Manufacturer Part Number=RC0402FR-074K7L, Max Operating Temperature=155°C, Max Power Dissipation=63mW, Min Operating Temperature=-55°C, Power Rating=62.5mW, Resistance Tolerance=1%, Resistor Type="Thick Film", Temperature Coefficient=100ppm/°C, Voltage Rating=50V, Case/Package=0402, Construction=Rectangular, Depth=0.5mm, Features="Moisture Resistant", Lead Free="Lead Free", Length=1mm, Military Standard=Not, Reach SVHC Compliant=No, RoHS Compliant=Yes, Series=RC, Termination=SMD/SMT, Tolerance=1%, Voltage Rating (DC)=50V, Width=0.5mm